# Altium PCB Logitemp.PcbDoc
Units mm, origin at the board's own origin, x right, y up, seen from the top; angles counter-clockwise.
Board outline 52 x 54 mm, 2 copper layers (Top Layer, Bottom Layer); 19 components, 21 nets, 101 pads, 68 vias.
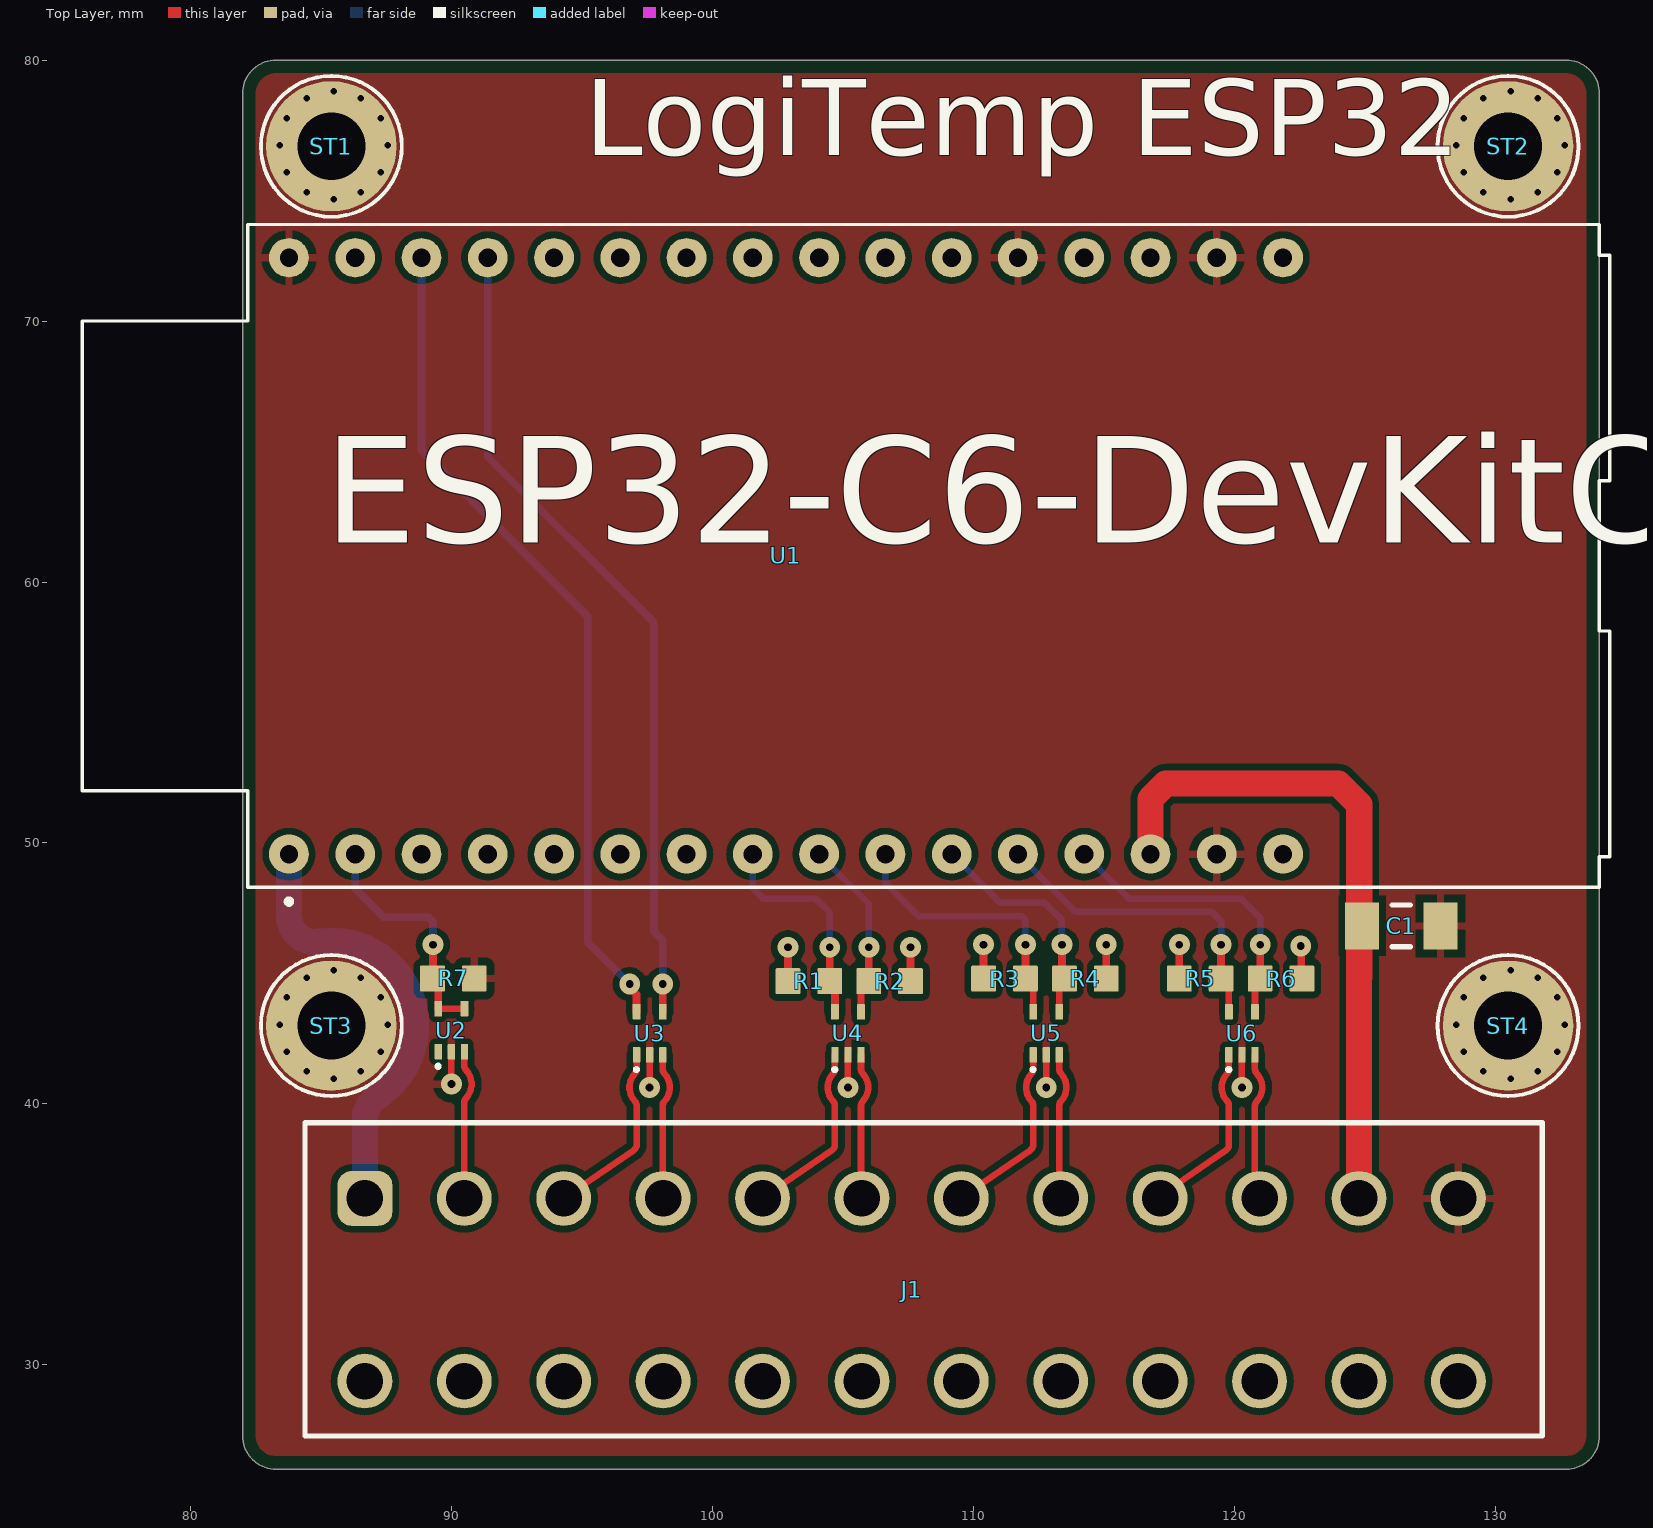
[diagram p0: Top Layer view]
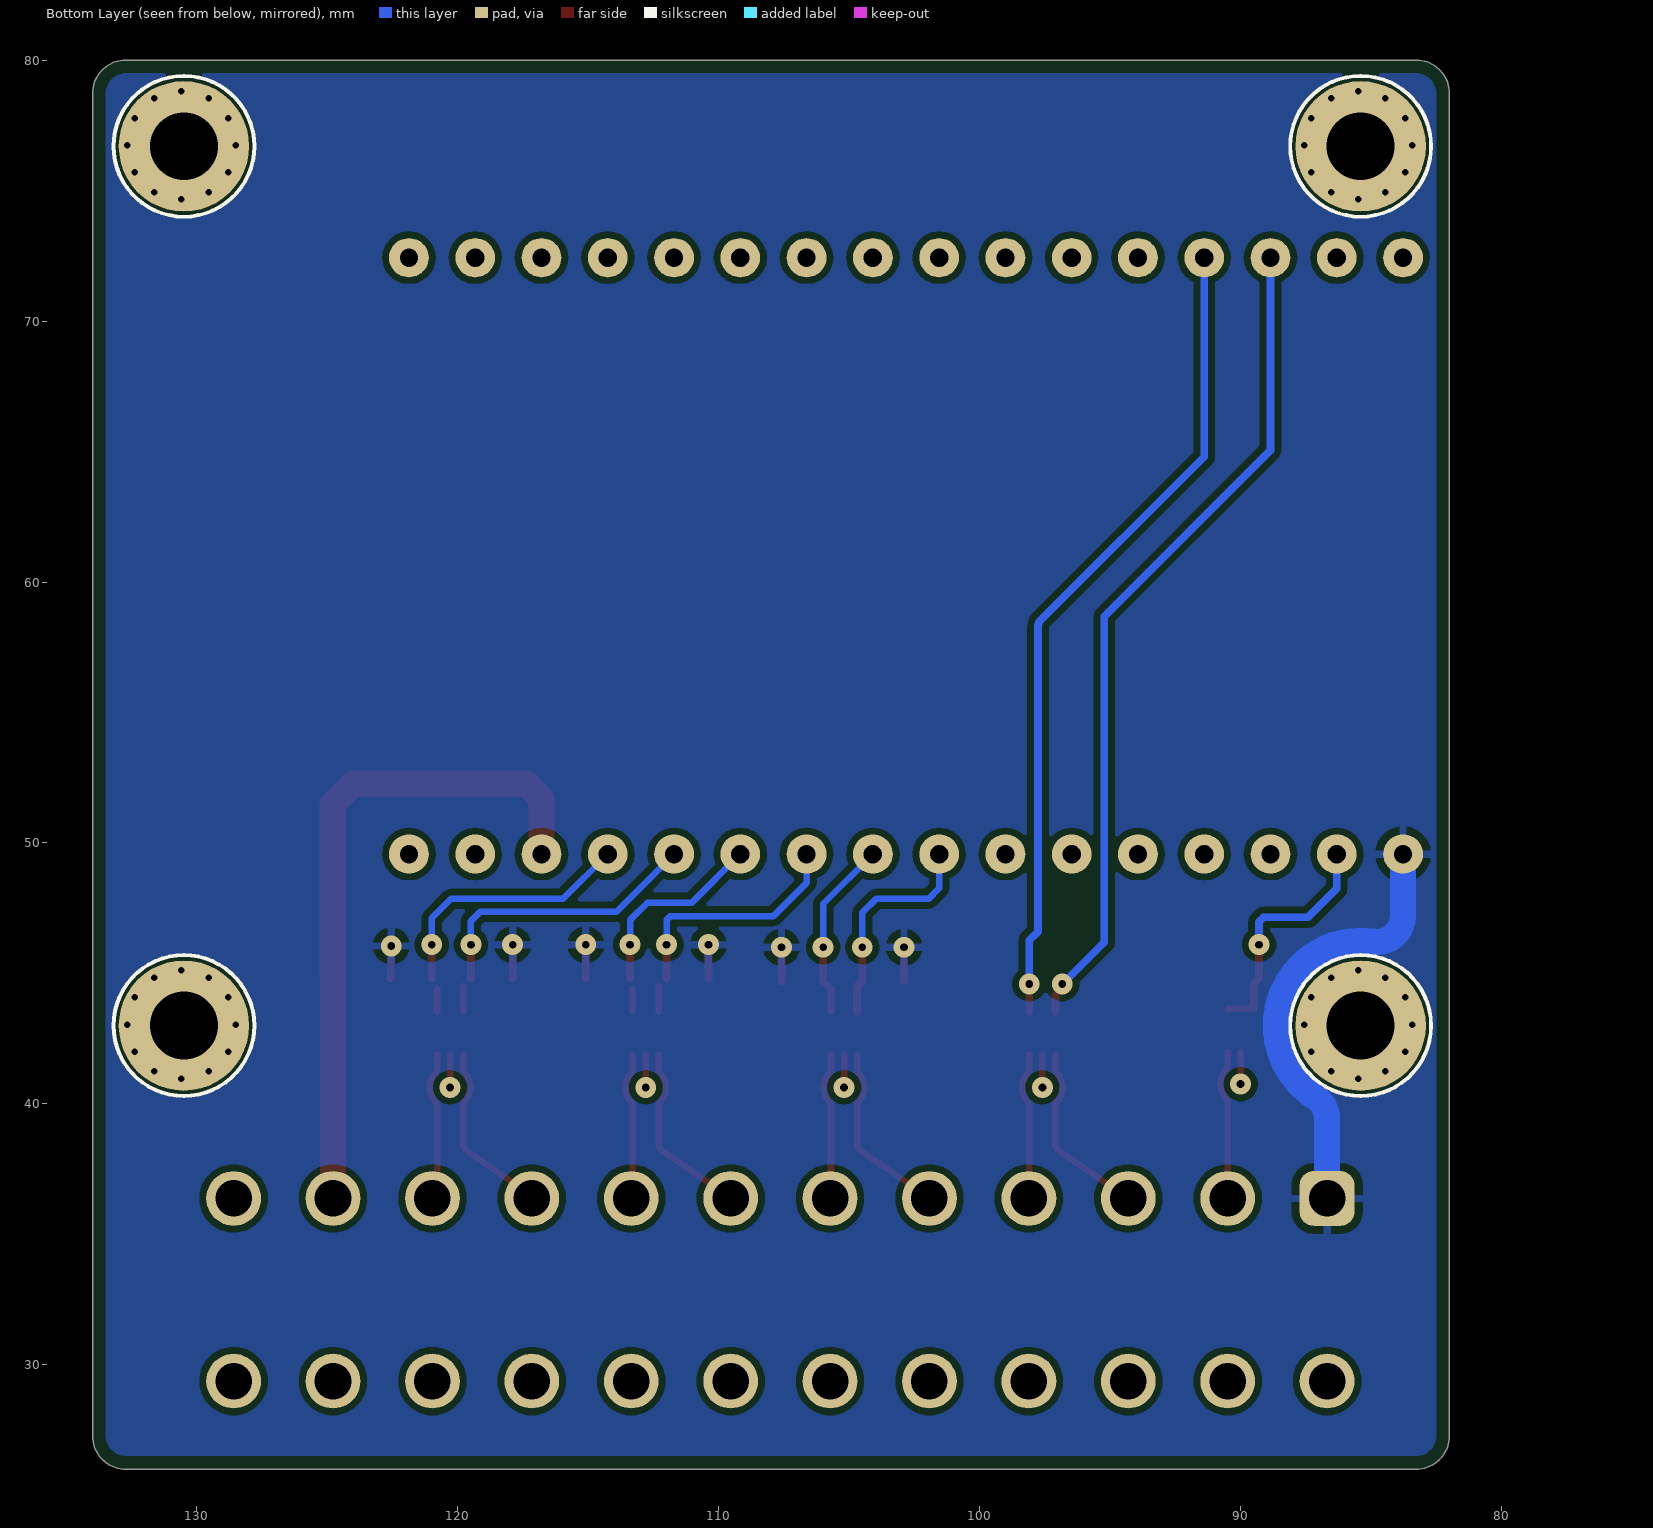
[diagram p1: Bottom Layer view, seen from below]

## Layer stack, top to bottom
Top Solder: solder mask 0.0102, Solder Resist, Dk 3.5
Top Layer: signal copper 0.0356
Dielectric 1: dielectric 0.32, FR-4, Dk 4.8
Bottom Layer: signal copper 0.0356
Bottom Solder: solder mask 0.0102, Solder Resist, Dk 3.5

## Board outline
82,29 82,77 82,78.73 cw(c83.27,78.73) 83.27,80 132.73,80 cw(c132.73,78.73) 134,78.73 134,27.27 cw(c132.73,27.27) 132.73,26 83.27,26 cw(c83.27,27.27) 82,27.27

## Design rules (kind name [scope] priority, off if disabled: settings)
BoardOutlineClearance BoardOutlineClearance_1 [All] p1: gap=0.5 ignorepadtopadclearanceinfootprint=FALSE
Clearance IP4256CZ5-W,115 [HasFootprint('SOT665_NXP') vs (OnLayer('Top Layer'))] p1: gap=0.2 ignorepadtopadclearanceinfootprint=FALSE
Clearance Clearance_1 [OnMid vs OnMid] p2: gap=0.25 ignorepadtopadclearanceinfootprint=FALSE sourcerule=71 cellrowname=All cellrowtype=0 cellcolname=All cellcoltype=0 innerlayers=TRUE
Clearance Clearance_2 [(ExistsOnLayer('Top Layer') Or ExistsOnLayer('Bottom Layer')) vs (ExistsOnLayer('Top Layer') Or ExistsOnLayer('Bottom Layer'))] p3: gap=0.25 ignorepadtopadclearanceinfootprint=FALSE sourcerule=71 cellrowname=All cellrowtype=0 cellcolname=All cellcoltype=0 outerlayers=TRUE
Clearance [All] p4: gap=0.254 ignorepadtopadclearanceinfootprint=FALSE ismatrix=TRUE
MinimumSolderMaskSliver MinimumSolderMaskSliver_1 [HasFootprint('SOT665_NXP')] p1: minsoldermaskwidth=0.1
MinimumSolderMaskSliver [All] p2: minsoldermaskwidth=0.2
PolygonConnect PolygonConnectStyle_1 [InComponent('ST1') or InComponent('ST2') or InComponent('ST3') or InComponent('ST4')] p1: connectstyle=Direct reliefconductorwidth=0.254 reliefentries=2 polygonreliefangle="45 Angle" airgapwidth=0.254
PolygonConnect [All] p2: connectstyle=Relief reliefconductorwidth=0.3 reliefentries=4 polygonreliefangle="90 Angle" airgapwidth=0.3
RoutingVias [All] p1: holewidth=0.3 width=0.8 viastyle="Through Hole" minholewidth=0.3 minwidth=0.8 maxholewidth=0.3 maxwidth=0.8
SolderMaskExpansion SolderMaskExpansion_1 [HasFootprint('SOT665_NXP')] p1: expansion=0.05 istentingtop=FALSE useseparateexpansions=TRUE expansionbottom=0.05 istentingbottom=FALSE
SolderMaskExpansion [All] p2: expansion=0.1 istentingtop=FALSE
Width MaxMinWidth_29 [InNet('+3V0')] p1: maxlimit=1 minlimit=0.3 preferedwidth=0.3 minimp=50.000000 maximp=50.000000 favimp=50.000000
Width MaxMinWidth_28 [InNet('+3V0')] p2: maxlimit=1 minlimit=0.3 preferedwidth=0.3 minimp=50.000000 maximp=50.000000 favimp=50.000000
Width MaxMinWidth_27 [InNet('+3V0')] p3: maxlimit=1 minlimit=0.3 preferedwidth=0.3 minimp=50.000000 maximp=50.000000 favimp=50.000000
Width MaxMinWidth_26 [InNet('+3V0')] p4: maxlimit=1 minlimit=0.3 preferedwidth=0.3 minimp=50.000000 maximp=50.000000 favimp=50.000000
Width MaxMinWidth_25 [InNet('+3V0')] p5: maxlimit=1 minlimit=0.3 preferedwidth=0.3 minimp=50.000000 maximp=50.000000 favimp=50.000000
Width MaxMinWidth_24 [InNet('+3V0')] p6: maxlimit=1 minlimit=0.3 preferedwidth=0.3 minimp=50.000000 maximp=50.000000 favimp=50.000000
Width MaxMinWidth_23 [InNet('+3V0')] p7: maxlimit=1 minlimit=0.3 preferedwidth=0.3 minimp=50.000000 maximp=50.000000 favimp=50.000000
Width MaxMinWidth_22 [InNet('+3V0')] p8: maxlimit=1 minlimit=0.3 preferedwidth=0.3 minimp=50.000000 maximp=50.000000 favimp=50.000000
Width MaxMinWidth_21 [InNet('+3V0')] p9: maxlimit=1 minlimit=0.3 preferedwidth=0.3 minimp=50.000000 maximp=50.000000 favimp=50.000000
Width MaxMinWidth_20 [InNet('+3V0')] p10: maxlimit=1 minlimit=0.3 preferedwidth=0.3 minimp=50.000000 maximp=50.000000 favimp=50.000000
Width MaxMinWidth_19 [InNet('+3V0')] p11: maxlimit=1 minlimit=0.3 preferedwidth=0.3 minimp=50.000000 maximp=50.000000 favimp=50.000000
Width MaxMinWidth_18 [InNet('+3V0')] p12: maxlimit=1 minlimit=0.3 preferedwidth=0.3 minimp=50.000000 maximp=50.000000 favimp=50.000000
Width MaxMinWidth_17 [InNet('+3V0')] p13: maxlimit=1 minlimit=0.3 preferedwidth=0.3 minimp=50.000000 maximp=50.000000 favimp=50.000000
Width MaxMinWidth_16 [InNet('+3V0')] p14: maxlimit=1 minlimit=0.3 preferedwidth=0.3 minimp=50.000000 maximp=50.000000 favimp=50.000000
Width MaxMinWidth_15 [InNet('+3V0')] p15: maxlimit=1 minlimit=0.3 preferedwidth=0.3 minimp=50.000000 maximp=50.000000 favimp=50.000000
Width MaxMinWidth_14 [InNet('+3V0')] p16: maxlimit=1 minlimit=0.3 preferedwidth=0.3 minimp=50.000000 maximp=50.000000 favimp=50.000000
Width MaxMinWidth_13 [InNet('+3V0')] p17: maxlimit=1 minlimit=0.3 preferedwidth=0.3 minimp=50.000000 maximp=50.000000 favimp=50.000000
Width MaxMinWidth_12 [InNet('+3V0')] p18: maxlimit=1 minlimit=0.3 preferedwidth=0.3 minimp=50.000000 maximp=50.000000 favimp=50.000000
Width MaxMinWidth_11 [InNet('+3V0')] p19: maxlimit=1 minlimit=0.3 preferedwidth=0.3 minimp=50.000000 maximp=50.000000 favimp=50.000000
Width MaxMinWidth_10 [InNet('+3V0')] p20: maxlimit=1 minlimit=0.3 preferedwidth=0.3 minimp=50.000000 maximp=50.000000 favimp=50.000000
Width MaxMinWidth_9 [InNet('+3V0')] p21: maxlimit=1 minlimit=0.3 preferedwidth=0.3 minimp=50.000000 maximp=50.000000 favimp=50.000000
Width MaxMinWidth_8 [InNet('+3V0')] p22: maxlimit=1 minlimit=0.3 preferedwidth=0.3 minimp=50.000000 maximp=50.000000 favimp=50.000000
Width MaxMinWidth_7 [InNet('+3V0')] p23: maxlimit=1 minlimit=0.3 preferedwidth=0.3 minimp=50.000000 maximp=50.000000 favimp=50.000000
Width MaxMinWidth_6 [InNet('+3V0')] p24: maxlimit=1 minlimit=0.3 preferedwidth=0.3 minimp=50.000000 maximp=50.000000 favimp=50.000000
Width MaxMinWidth_30 [InNet('+3V0')] p25: maxlimit=1 minlimit=0.3 preferedwidth=0.3 minimp=50.000000 maximp=50.000000 favimp=50.000000
Width MaxMinWidth_1 [InNet('+3V0')] p26: maxlimit=1 minlimit=0.3 preferedwidth=0.3 minimp=50.000000 maximp=50.000000 favimp=50.000000
Width MaxMinWidth_2 [InNet('+5V0')] p27: maxlimit=1 minlimit=0.3 preferedwidth=0.4 minimp=50.000000 maximp=50.000000 favimp=50.000000
Width MaxMinWidth_3 [InNet('GND')] p28: maxlimit=1 minlimit=0.25 preferedwidth=0.4 minimp=50.000000 maximp=50.000000 favimp=50.000000
Width MaxMinWidth_4 [InNet('GPIO1')] p29: maxlimit=0.5 minlimit=0.25 preferedwidth=0.3 minimp=50.000000 maximp=50.000000 favimp=50.000000
Width MaxMinWidth_5 [InNet('GPIO1_J1')] p30: maxlimit=0.5 minlimit=0.25 preferedwidth=0.3 minimp=50.000000 maximp=50.000000 favimp=50.000000
Width [All] p31: maxlimit=1 minlimit=0.25 preferedwidth=0.3 minimp=50.000000 maximp=50.000000 favimp=50.000000
29 further rules are at their usual default settings.

## Components (designator, comment, footprint, x,y, rotation, side; value= is the part's Value field where it differs from the comment)
C1 "CAP CER 10µF 16V ±10% X7R 1206" C1206_IPC_B_3.2x1.6x1.60mm 126.409,46.817 r0 top value=10µF
J1 "691409320012" 691409320012 108.096,33.274 r0 top
R1 "RES SMD 4.7k 1% 1/4W 0603" R0603_IPC_B_1.55x0.8x0.55mm 103.7,44.7 r0 top value=4.7k
R2 "RES SMD 4.7k 1% 1/4W 0603" R0603_IPC_B_1.55x0.8x0.55mm 106.8,44.7 r180 top value=4.7k
R3 "RES SMD 4.7k 1% 1/4W 0603" R0603_IPC_B_1.55x0.8x0.55mm 111.2,44.8 r0 top value=4.7k
R4 "RES SMD 4.7k 1% 1/4W 0603" R0603_IPC_B_1.55x0.8x0.55mm 114.3,44.8 r180 top value=4.7k
R5 "RES SMD 4.7k 1% 1/4W 0603" R0603_IPC_B_1.55x0.8x0.55mm 118.7,44.8 r0 top value=4.7k
R6 "RES SMD 4.7k 1% 1/4W 0603" R0603_IPC_B_1.55x0.8x0.55mm 121.8,44.8 r180 top value=4.7k
R7 "RES SMD 4.7k 1% 1/4W 0603" R0603_IPC_B_1.55x0.8x0.55mm 90.077,44.805 r0 top value=4.7k
ST1 "PTH-D26H50WV" PTH-D26H50WV 85.4,76.7 r0 top
ST2 "PTH-D26H50WV" PTH-D26H50WV 130.5,76.7 r0 top
ST3 "PTH-D26H50WV" PTH-D26H50WV 85.4,43 r0 top
ST4 "PTH-D26H50WV" PTH-D26H50WV 130.5,43 r0 top
U1 "ESP32-C6-DEVKITC-1-N8" ESP32-C6-DEVKITC-1-N8 108.1,61 r90 top locked
U2 "IP4256CZ5-W,115" SOT665_NXP 90,42.825 r90 top
U3 "IP4256CZ5-W,115" SOT665_NXP 97.6,42.7 r90 top
U4 "IP4256CZ5-W,115" SOT665_NXP 105.2,42.7 r90 top
U5 "IP4256CZ5-W,115" SOT665_NXP 112.8,42.7 r90 top
U6 "IP4256CZ5-W,115" SOT665_NXP 120.3,42.7 r90 top

## Footprints (in the part's own frame and the unit in brackets; to place one, negate y for a bottom-side part, rotate by r counter-clockwise, add the part's x,y. Pads: shape width x height; smd on the part's side, far side on the other; paste and mask are expansions set on the pad)
691409320012 [mm] "WR-TBL Series 4093 - Screwless Push In 3.81mm pitch - 45° cable entry - THT"
  rrect50% 2.1x2.1 hole 1.4: 1(-21.41,3.1)
  round 2.1 hole 1.4: 2(-17.6,3.1) 3(-13.79,3.1) 4(-9.98,3.1) 5(-6.17,3.1) 6(-2.36,3.1) 7(1.45,3.1) 8(5.26,3.1) 9(9.07,3.1) 10(12.88,3.1) 11(16.69,3.1) 12(20.5,3.1) MH1(-21.41,-3.9) MH2(-17.6,-3.9) MH3(-13.79,-3.9) MH4(-9.98,-3.9) MH5(-6.17,-3.9) MH6(-2.36,-3.9) MH7(1.45,-3.9) MH8(5.26,-3.9) MH9(9.07,-3.9) MH10(12.88,-3.9) MH11(16.69,-3.9) MH12(20.5,-3.9)
  silkscreen extent -23.71,-6 23.71,6, body extent -23.71,-6 23.71,6, height 12.68
C1206_IPC_B_3.2x1.6x1.60mm [mm] "Ceramic Capacitors, 1206, body 3.2x1.6mm"
  rect 1.3x1.8 smd: 1(-1.5,0) 2(1.5,0)
  silkscreen extent -0.35,-0.8 0.35,0.8, body extent -1.7,-0.9 1.7,0.9, height 1.6
ESP32-C6-DEVKITC-1-N8 [mm]
  oval 1.5x1.524 hole 0.7: 1(-11.43,24.325) 2(-11.43,21.785) 3(-11.43,19.245) 4(-11.43,16.705) 5(-11.43,14.165) 6(-11.43,11.625) 7(-11.43,9.085) 8(-11.43,6.545) 9(-11.43,4.005) 10(-11.43,1.465) 11(-11.43,-1.075) 12(-11.43,-3.615) 13(-11.43,-6.155) 14(-11.43,-8.695) 15(-11.43,-11.235) 16(-11.43,-13.775) 17(11.43,-13.775) 18(11.43,-11.235) 19(11.43,-8.695) 20(11.43,-6.155) 21(11.43,-3.615) 22(11.43,-1.075) 23(11.43,1.465) 24(11.43,4.005) 25(11.43,6.545) 26(11.43,9.085) 27(11.43,11.625) 28(11.43,14.165) 29(11.43,16.705) 30(11.43,19.245) 31(11.43,21.785) 32(11.43,24.325)
  silkscreen extent -13.35,-26.3 12.7,32.25, body extent -12.7,-26.03 12.7,31.72, height 5.43
PTH-D26H50WV [mm] "M2 PTH (2.5mm), 5mm pad and ring of vias"
  round 5 hole 2.6: 1(0,0)
  silkscreen extent -2.7,-2.7 2.7,2.7
R0603_IPC_B_1.55x0.8x0.55mm [mm] "Chip Resistor, 2-Leads, Body 1,55x0,80mm, IPC Medium Density"
  rrect10% 0.95x1 smd: 1(-0.8,0) 2(0.8,0)
  body extent -0.88,-0.48 0.82,0.48, height 0.55
SOT665_NXP [mm]
  rrect20% 0.6x0.28 smd: 1(-0.825,0.5) 2(-0.825,0) 3(-0.825,-0.5)
  rrect20% 0.6x0.3 smd: 4(0.825,-0.5) 5(0.825,0.5)
  silkscreen extent -1.4,0.5 -1.38,0.52, body extent -0.8,-0.8 0.8,0.8, height 0.6

## Part data
C1: library part CMP-001-00315-3, Capacitor Type=Ceramic, Case/Package=1206, Max Operating Temperature=125°C, Min Operating Temperature=-55°C, Tolerance=10%, Voltage Rating=16V, Ceramic Type=X7R, Mounting Technology="Surface Mount", Pins=2, RoHS Compliant=Yes
J1: library part CMP-002-00694-1, "Terminal Block, Wtb, 12POS, 26-16AWG;", Case/Package="3.81mm 45° Mod SPI", Max Operating Temperature=115°C, Min Operating Temperature=-40°C, Connector Type="WR-TBL Screwless Push In", Gender=Female, Mounting Technology="Through Hole", Pins=12, RoHS Compliant=Yes
R1 R2 R3 R4 R5 R6 R7: library part CMP-009-00204-3, Case Code (Imperial)=0603, Case Code (Metric)=1608, Max Operating Temperature=155°C, Min Operating Temperature=-55°C, Power=250mW, Tolerance=1%, Voltage Rating=75V, Case/Package=0603, Mounting Technology="Surface Mount", Pins=2, RoHS Compliant=Yes
ST1 ST2 ST3 ST4: library part CMP-00028-00046-1, Max Operating Temperature=155°C, Min Operating Temperature=-55°C, Case/Package=PTH-D26H50WV, Mounting Technology="Through hole", Pins=1, RoHS Compliant=Yes
U1: library part CMP-020-00032-3, "ESP32-C6 General-purpose Develop", Case/Package="DIP 30 (22,86mm)", Max Supply Voltage=5V, Power=2.64W, I/Os=21, Interface=USB, Min Supply Voltage=5V, Mounting Technology="Through Hole", Pins=32, RAM Size=4M, RoHS Compliant=Yes
U2 U3 U4 U5 U6: library part CMP-032-00000-5, "NXP IP4256CZ5-W, Dual Uni-Directional EMI Filter & ESD Protector, 120mW, 5-Pin SOT-665", Case/Package=SOT-665, Max Operating Temperature=85°C, Max Reverse Leakage Current=100nA, Min Breakdown Voltage=5.8V, Min Operating Temperature=-40°C, Peak Pulse Power=120mW, Test Current=1mA, Direction=Unidirectional, ESD Protection=Yes, Height=0.6mm, Length=1.7mm, Mount="Surface Mount", Mounting Technology="Surface Mount", Number of Pins=5, Pins=5, RoHS Compliant=Yes, Width=1.3mm

## Via types
v1: diameter 0.6, hole 0.25, Top Layer to Bottom Layer, 48 vias
v2: diameter 0.8, hole 0.3, Top Layer to Bottom Layer, 20 vias

## Nets (pads, with @x,y where several pads share a name; then routed paths per layer and width w, separated by ;. In a path a pad name is that pad's centre, name@x,y a point inside that pad or via, vN(x,y) a via of type N, cw(c..) or ccw(c..) an arc to the next point about the centre after c; other vN are vias at no path point)
+3V0: J1.1 R1.1 R2.1 R3.1 R4.1 R5.1 R6.1 U1.1 | length 24.7
  Top Layer w0.3: R1.1 v2(102.9,46) ; R2.1 v2(107.6,46) ; R3.1 v2(110.4,46.1) ; R4.1 v2(115.1,46.1) ; R5.1 v2(117.9,46.1) ; v2(122.552,46.052) 122.576,46.028 122.576,44.824 R6.1
  Bottom Layer w1: U1.1 83.775,47.204 ccw(c84.775,47.204) 84.918,46.214 cw(c85.4,43) 88.65,43.004 cw(c85.4,43) 87.146,40.259 ccw(c87.686,39.417) 86.686,39.419 J1.1
+5V0: C1.1 J1.11 U1.14 | length 25.8
  Top Layer w1: U1.14 116.795,51.69 117.381,52.276 123.993,52.276 124.796,51.473 124.796,44.862 124.791,44.857 124.791,36.379 J1.11
GND: C1.2 J1.12 R7.2 ST1.1 ST2.1 ST3.1 ST4.1 U1.15 U1.18 U1.21 U1.32 U2.2 U3.2 U4.2 U5.2 U6.2 | length 6.2
  Top Layer w0.25: v2(90,40.755) U2.2 ; v2(97.6,40.63) U3.2 ; v2(105.2,40.63) U4.2 ; v2(112.8,40.63) U5.2 ; v2(120.3,40.63) U6.2
  other v1: 85.495,40.963 130.595,40.963 84.457,41.241 86.532,41.241 129.557,41.241 131.632,41.241 83.698,42.001 87.292,42.001 128.798,42.001 132.392,42.001 83.42,43.038 87.57,43.038 128.52,43.038 132.67,43.038 83.698,44.076 87.292,44.076 128.798,44.076 132.392,44.076 84.457,44.835 86.532,44.835 129.557,44.835 131.632,44.835 85.495,45.113 130.595,45.113 85.495,74.663 130.595,74.663 84.457,74.941 86.532,74.941 129.557,74.941 131.632,74.941 83.698,75.701 87.292,75.701 128.798,75.701 132.392,75.701 83.42,76.738 87.57,76.738 128.52,76.738 132.67,76.738 83.698,77.776 87.292,77.776 128.798,77.776 132.392,77.776 84.457,78.535 86.532,78.535 129.557,78.535 131.632,78.535 85.495,78.813 130.595,78.813
GPIO1: R1.2 U1.8 U4.5 | length 8.5
  Top Layer w0.3: v2(104.5,46) R1.2 104.7,44.5 U4.5
  Bottom Layer w0.254: U1.8 101.555,48.264 101.963,47.856 103.971,47.856 104.5,47.327 v2(104.5,46)
GPIO1_J1: J1.5 U4.1 | length 7.1
  Top Layer w0.25: J1.5@101.933,36.393 104.593,38.226 ccw(c104.45,38.431) 104.7,38.431 104.7,39.932 ccw(c104.45,39.932) 104.633,40.102 cw(c105.2,40.63) 104.633,41.159 ccw(c104.45,41.329) 104.7,41.329 U4.1
  Top Layer w0.3: J1.5@101.906,36.374 J1.5@101.92,36.383
GPIO2: R5.2 U1.12 U6.5 | length 12
  Top Layer w0.254: U6.5 R5.2@119.8,44.5
  Top Layer w0.3: R5.2 v2(119.5,46.1)
  Bottom Layer w0.25: U1.12 113.929,47.356 119.15,47.356 119.5,47.006 v2(119.5,46.1)
GPIO2_J1: J1.9 U6.1 | length 7.1
  Top Layer w0.25: J1.9@117.006,36.374 117.114,36.449 119.693,38.226 ccw(c119.55,38.431) 119.8,38.431 119.8,39.932 ccw(c119.55,39.932) 119.733,40.102 cw(c120.3,40.63) 119.733,41.159 ccw(c119.55,41.329) 119.8,41.329 U6.1
GPIO3: R6.2 U1.13 U6.4 | length 11
  Top Layer w0.254: U6.4 R6.2@120.8,44.4
  Top Layer w0.3: R6.2 v2(121,46.1)
  Bottom Layer w0.25: U1.13 115.969,47.856 120.263,47.856 121,47.119 v2(121,46.1)
GPIO3_J1: J1.10 U6.3 | length 5.8
  Top Layer w0.25: U6.3 120.8,41.329 ccw(c121.05,41.329) 120.867,41.159 cw(c120.3,40.63) 120.867,40.102 ccw(c121.05,39.932) 120.8,39.932 120.8,36.537 120.8,36.374 J1.10@120.816,36.374 ; J1.10@120.888,36.462 J1.10
GPIO8: R2.2 U1.9 U4.4 | length 7
  Top Layer w0.254: U4.4 105.7,44.4 R2.2
  Top Layer w0.3: R2.2 v2(106,46)
  Bottom Layer w0.25: U1.9 106,47.665 v2(106,46)
GPIO8_J1: J1.6 U4.3 | length 5.6
  Top Layer w0.25: J1.6@105.7,36.374 105.7,39.932 cw(c105.95,39.932) 105.767,40.102 ccw(c105.2,40.63) 105.767,41.159 cw(c105.95,41.329) 105.7,41.329 U4.3
GPIO10: R3.2 U1.10 U5.5 | length 10.3
  Top Layer w0.254: U5.5 R3.2@112.3,44.5
  Top Layer w0.3: R3.2 v2(112,46.1)
  Bottom Layer w0.25: U1.10 106.635,48.467 107.908,47.194 111.854,47.194 112,47.048 v2(112,46.1)
GPIO10_J1: J1.7 U5.1 | length 7.1
  Top Layer w0.25: J1.7@109.506,36.374 109.533,36.393 112.193,38.226 ccw(c112.05,38.431) 112.3,38.431 112.3,39.932 ccw(c112.05,39.932) 112.233,40.102 cw(c112.8,40.63) 112.233,41.159 ccw(c112.05,41.329) 112.3,41.329 U5.1
GPIO11: R4.2 U1.11 U5.4 | length 8.4
  Top Layer w0.254: U5.4 R4.2@113.3,44.4
  Top Layer w0.3: R4.2@113.4,44.8 v2(113.4,46.1)
  Bottom Layer w0.254: U1.11 111.043,47.702 112.739,47.702 113.4,47.042 v2(113.4,46.1)
GPIO11_J1: J1.8 U5.3 | length 5.7
  Top Layer w0.25: U5.3 113.3,41.329 ccw(c113.55,41.329) 113.367,41.159 cw(c112.8,40.63) 113.367,40.102 ccw(c113.55,39.932) 113.3,39.932 113.3,36.374 J1.8@113.316,36.374 ; J1.8@113.313,36.417 J1.8
RST: R7.1 U1.2 U2.4 U2.5 | length 9.2
  Top Layer w0.25: U2.5 U2.4
  Top Layer w0.3: R7.1@89.294,44.8 v2(89.294,46.1) ; R7.1@89.3,44.8 89.5,44.6 U2.5
  Bottom Layer w0.3: U1.2 86.315,48.251 87.416,47.15 89.119,47.15 89.294,46.974 v2(89.294,46.1)
RST_J1: J1.2 U2.3 | length 5.6
  Top Layer w0.25: J1.2@90.5,36.499 90.5,40.057 cw(c90.75,40.057) 90.567,40.227 ccw(c90,40.755) 90.567,41.284 cw(c90.75,41.454) 90.5,41.454 U2.3
RX: U1.29 U3.4 | length 31.7
  Top Layer w0.3: U3.4 v2(98.1,44.587) v2@98.1,44.6
  Bottom Layer w0.3: U1.29 91.395,64.805 97.678,58.522 cw(c97.466,58.31) 97.766,58.31 97.766,46.6 98.1,46.265 v2(98.1,44.587)
RX_J1: J1.4 U3.3 | length 5.7
  Top Layer w0.25: U3.3 98.1,41.329 ccw(c98.35,41.329) 98.167,41.159 cw(c97.6,40.63) 98.167,40.102 ccw(c98.35,39.932) 98.1,39.932 98.1,36.374 J1.4
TX: U1.30 U3.5 | length 32.3
  Top Layer w0.3: v2(96.835,44.587) 96.835,44.451 97.1,44.187 U3.5
  Bottom Layer w0.3: U1.30 88.855,65.045 95.225,58.675 95.225,46.197 v2(96.835,44.587)
TX_J1: J1.3 U3.1 | length 7.1
  Top Layer w0.25: J1.3 96.993,38.226 ccw(c96.85,38.431) 97.1,38.431 97.1,39.932 ccw(c96.85,39.932) 97.033,40.102 cw(c97.6,40.63) 97.033,41.159 ccw(c96.85,41.329) 97.1,41.329 U3.1
pads on no net: J1.MH1 J1.MH2 J1.MH3 J1.MH4 J1.MH5 J1.MH6 J1.MH7 J1.MH8 J1.MH9 J1.MH10 J1.MH11 J1.MH12 U1.3 U1.4 U1.5 U1.6 U1.7 U1.16 U1.17 U1.19 U1.20 U1.22 U1.23 U1.24 U1.25 U1.26 U1.27 U1.28 U1.31 U2.1

## Polygon pours and split planes (outlines as drawn)
+3V0 on Bottom Layer "+3V0_L02_P001" (solid, remove dead copper, pour order 1): 82,29 82,77 82,78.73 cw(c83.27,78.73) 83.27,80 132.73,80 cw(c132.73,78.73) 134,78.73 134,27.27 cw(c132.73,27.27) 132.73,26 83.27,26 cw(c83.27,27.27) 82,27.27
GND on Top Layer "GND_TOP" (solid, remove dead copper, pour order 0): 82,29 82,77 82,78.73 cw(c83.27,78.73) 83.27,80 132.73,80 cw(c132.73,78.73) 134,78.73 134,27.27 cw(c132.73,27.27) 132.73,26 83.27,26 cw(c83.27,27.27) 82,27.27

## Silkscreen, mask and mechanical layers (free items; w line width, h text height)
Top Overlay:
  text "LogiTemp ESP32" at 95.105,75.4 h5
  text "ESP32-C6-DevKitC-1" at 85.136,60.157 h7
Board:
  lines w0.5: 82,27.27 ccw(c83.27,27.27) 83.27,26 86,26 132.73,26 ccw(c132.73,27.27) 134,27.27 134,78.73 ccw(c132.73,78.73) 132.73,80 103,80 83.27,80 ccw(c83.27,78.73) 82,78.73 82,77 82,29 82,27.27

## Dimensions
82,77 to 134,73.7 on Dimensions